# KiCad board Space.kicad_pcb (continued)
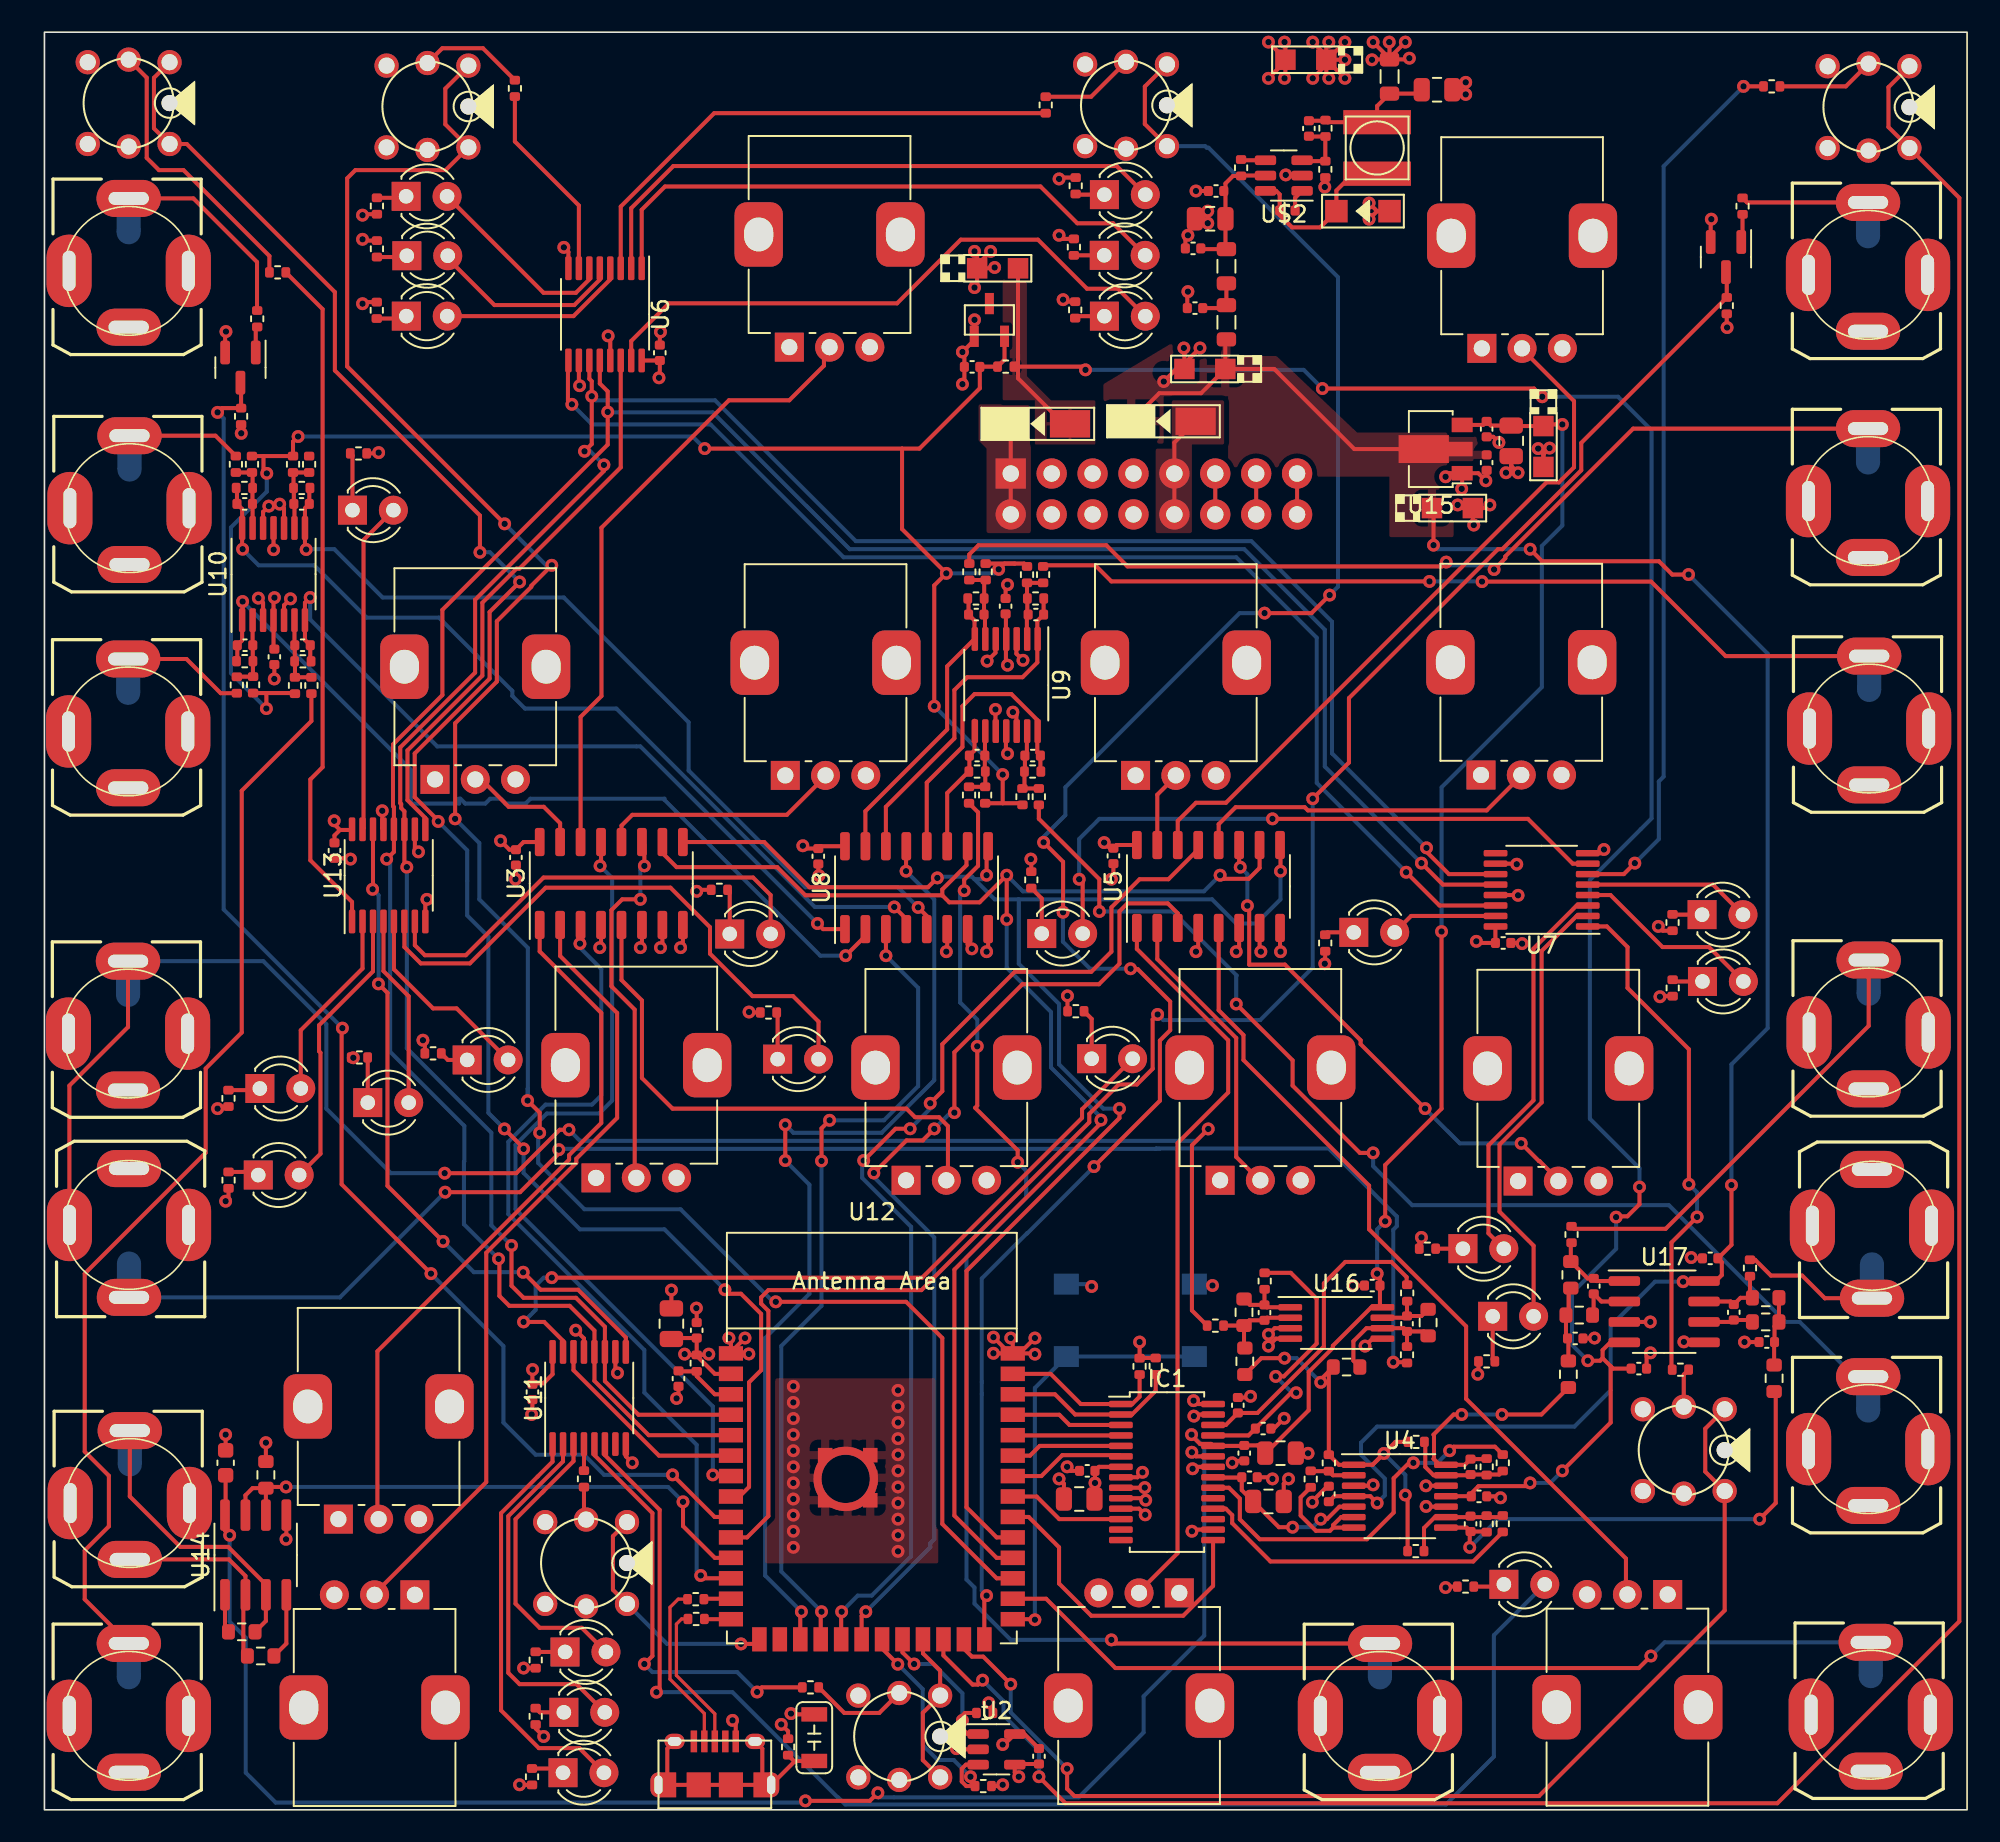
[diagram p0: board, top side]
## Routing (per net, layer and track width the routed paths; a pad name or vN(x,y) marks a point on that pad's centre or on a via; arc(x,y) is an arc through that point) (continued)
/CVJacks/XCV2: length 8.5
  Top w0.25: U8.11 56.06,63.16 57.39,64.5 R55.2 57.43,64.53 C42.2 57.75,65.81 57.75,67.65
/CVJacks/XCV3: length 18.5
  Top w0.25: R61.2 61.84,64.53 C44.2 61.65,65.68 61.65,67.69 60.04,69.31 57.75,69.31 57,68.56 57,66.02 54.78,63.81 54.78,59.86
/CVJacks/XCV4: length 46.8
  Top w0.25: 49.7,54.71 48.35,54.71 v1(48,55.06) ; R48.2 16.5,71.39 16.5,72.34 16.17,72.67 U10.7 16.17,74.98 v1(16.5,75.31)
  Bottom w0.25: v1(48,55.06) 37,66.06 24.39,66.06 16.5,73.94 v1(16.5,75.31)
/CVJacks/XCV5: length 54.5
  Top w0.25: v1(16.25,78.29) 16.17,78.36 U10.8 16.17,80.85 16.44,81.12 16.44,82.07 R54.2 ; v1(54.25,56.06) 54.78,55.52 54.78,54.71
  Bottom w0.25: v1(16.25,78.29) 16.27,78.31 18,78.31 21,75.31 32.25,75.31 40,67.56 40,64.56 47.25,57.31 53,57.31 v1(54.25,56.06)
/CVJacks/XCV6: length 54.8
  Top w0.25: v1(12.3,75.06) 12.3,74.56 12.28,74.53 12.28,72.64 C37.2 11.97,71.4 R42.2 ; v1(49.75,53.06) 50.97,54.28 U8.2
  Bottom w0.25: v1(12.3,75.06) 22.75,64.61 22.75,62.51 25.75,62.51 25.75,62.81 25.83,62.81 26.13,62.51 27.37,62.51 27.67,62.81 28.33,62.81 28.63,62.51 29.87,62.51 30.17,62.81 38.5,62.81 38.5,62.73 48.17,53.06 v1(49.75,53.06)
/CVJacks/XCV7: length 55.5
  Top w0.25: v1(52.77,56.08) 53.52,55.33 U8.4 ; v1(12.3,78.31) 12.28,78.33 12.28,80.8 C43.2 11.95,82.06 R60.2
  Bottom w0.25: v1(52.77,56.08) 47.84,56.08 35.51,68.41 29.84,68.41 29.05,69.2 29.05,69.51 24.5,74.06 20,74.06 16.75,77.31 13.3,77.31 v1(12.3,78.31)
/CVMUX0: length 96.6
  Top w0.25: v1(65.6,42.85) 65.6,42.66 56.5,33.56 56.5,18.28 59.12,15.65 U12.30 ; U3.10 38.37,59.44 39.25,58.56 45.5,58.56 47.25,56.81 55.75,56.81 55.75,56.81 ; v1(73,58.06) 73.22,57.83 74.78,57.83 75.45,58.51 U5.10 ; 55.75,56.81 56.18,56.37 58.07,56.37 v1(59.75,58.06) v1(59.75,55.31) ; 55.75,56.81 55.75,57.17 57.25,58.67 57.25,59.78
  Bottom w0.25: v1(59.75,55.31) 59.75,52.31 62.5,49.56 62.5,46.11 65.6,43.01 v1(65.6,42.85) ; v1(59.75,58.06) 60.75,57.06 72,57.06 v1(73,58.06)
/CVMUX1: length 95
  Top w0.25: U12.31 59.12,16.92 57.25,18.8 57.25,33.47 66.75,42.97 v1(66.75,43.56) ; v1(55.44,57.89) 54.86,57.31 47.5,57.31 44.69,60.12 U3.9 ; U5.9 76.75,59.9 v1(76.75,58.31) ; U8.9 58.5,59.76 v1(58.5,58.06)
  Bottom w0.25: 57.75,57.81 59,56.56 60.5,56.56 ; 57.75,57.81 58.25,57.81 v1(58.5,58.06) ; 57.75,57.81 57.6,57.96 55.51,57.96 v1(55.44,57.89) ; 60.5,56.56 60.5,52.56 63,50.06 63,46.31 65.75,43.56 v1(66.75,43.56) ; 60.5,56.56 72.5,56.56 74,55.06 75.25,55.06 76.75,56.56 v1(76.75,58.31)
/EEPROM_SCL: length 10.7
  Top w0.25: 56.99,5.04 56.91,5.12 56.91,5.77 57.16,6.02 R77.2 ; 56.99,5.04 57,5.06 v1(57,5.56) ; 56.99,5.04 57.33,4.71 U2.1 ; U12.22 53.28,9.78 v1(54,9.06)
  Bottom w0.25: v1(54,9.06) 55.18,9.06 57,7.24 v1(57,5.56)
/EEPROM_SDA: length 14.9
  Top w0.25: U12.21 52.01,10.02 v1(52.99,9.04) ; U2.3 57.22,2.81 56.96,2.55 56.96,1.75 57.24,1.47 R76.1 57.5,1.76 v1(57.5,2.06)
  Bottom w0.25: v1(52.99,9.04) 54.54,7.49 54.54,4.02 55.46,3.09 56.46,3.09 v1(57.5,2.06)
/EN: length 4
  Top w0.25: C60.1 39.4,27.24 R78.2 40.5,26.94 41.62,25.81 U12.3
/I2S_ADC: length 7.3
  Top w0.25: IC1.12 63.01,18.06 61.61,19.46 U12.33
/I2S_BCLK: length 7
  Top w0.25: U12.35 61.19,22 61.8,22.61 IC1.5
/I2S_DAC: length 7
  Top w0.25: U12.37 63.02,24.54 63.65,23.91 IC1.3
/I2S_LRC: length 6.7
  Top w0.25: IC1.4 60.14,23.26 U12.36
/JACK_FREEZE: length 115.8
  Top w0.25: U12.10 43.62,16.92 44.95,18.24 44.95,30.99 44.5,31.44 44.5,31.83 44.95,32.28 54.45,32.28 64.88,42.71 64.88,43.23 66.7,45.06 67.83,45.06 68.81,46.03 68.81,49.1 v1(69.12,49.41) ; v1(78.75,62.81) 81,65.06 81,69.06 90.25,78.31 90.52,78.31 95.42,83.21 95.42,84.91 R95.1 104.46,95.47 Q3.3
  Bottom w0.25: v1(69.12,49.41) 69.47,49.06 75.49,49.06 78.75,52.32 v1(78.75,62.81)
/JACK_TAP: length 89.9
  Top w0.25: v1(18.5,48.56) 18.45,48.51 18.45,38.85 v1(24,33.31) ; v1(39,20.81) 41.61,18.19 U12.9 ; v1(10.75,86.81) 11.02,87.07 R93.1 12.21,88.61 Q4.3
  Bottom w0.25: v1(10.75,86.81) 11.13,86.43 11.13,55.93 v1(18.5,48.56) ; v1(24,33.31) 28.5,28.81 28.5,24.06 30.5,22.06 33.5,22.06 34.75,20.81 v1(39,20.81)
/KNOBADC0: length 50.3
  Top w0.25: v1(41.5,20.81) 41.58,20.73 U12.7 ; v1(34.5,58.63) 34.56,58.69 U3.13
  Bottom w0.25: v1(41.5,20.81) 41.5,25.06 29.25,37.31 29.25,41.31 31.2,43.25 34.45,43.25 35.25,44.06 35.25,57.88 v1(34.5,58.63)
/KNOBADC1: length 52
  Top w0.25: v1(33.25,53.81) 33.25,54.93 U3.3 ; v1(40.75,14.56) 40.92,14.38 U12.12
  Bottom w0.25: v1(40.75,14.56) 40.5,14.81 40.5,22.67 37.25,25.92 37.25,28.56 28.8,37 28.8,41.49 31.11,43.81 34,43.81 34.58,44.38 34.58,52.23 33.25,53.56 v1(33.25,53.81)
/KNOBADC2: length 65.9
  Top w0.25: v1(49.5,12.31) 49.47,12.28 U12.19 ; U5.13 71.64,59.65 69.79,57.81 68,57.81 66.25,56.06 66.25,53.31 65,52.06 60.25,52.06 55.75,47.56 55.75,44.64 v1(55,43.89) ; v1(50.87,40.33) 52.84,42.31 v1(53.75,42.31)
  Bottom w0.25: v1(53.75,42.31) 55,43.56 v1(55,43.89) ; v1(50.87,40.33) 50.78,40.24 50.78,39.25 53.81,36.22 53.81,15.75 51.36,13.31 50.5,13.31 v1(49.5,12.31)
/KNOBADC3: length 63.5
  Top w0.25: v1(51,12.31) 50.74,12.05 U12.20 ; v1(51.5,39.56) 53.53,41.58 54.53,41.58 v1(55.25,42.3) ; v1(56.5,43.31) 56.5,47.06 60.73,51.28 65.48,51.28 66.75,52.56 66.75,55.81 67.25,56.31 69.75,56.31 70.37,55.69 U5.3
  Bottom w0.25: v1(51,12.31) 55,16.31 55,16.56 55.25,16.81 55.25,35.56 51.5,39.31 v1(51.5,39.56) ; v1(56.5,43.31) 56.26,43.31 v1(55.25,42.3)
/Knobs/KNOB_DELAY: length 33.6
  Top w0.25: U3.5 35.83,51.54 37.1,50.27 37.1,45.46 39,43.56 53.52,43.56 54.06,43.02 55.55,43.02 56.1,42.47 56.1,39.11
/Knobs/KNOB_DELAY_FEEDBACK: length 7.5
  Top w0.25: U3.15 32.02,61.29 31,62.31 28.83,62.31 26.9,64.23
/Knobs/KNOB_DELAY_LENGTH: length 39.2
  Top w0.25: U3.14 33.29,67.89 34.58,69.18 34.58,79.64 42.5,87.56 46.25,87.56 48.4,89.71 48.4,90.86
/Knobs/KNOB_DELAY_PATTERN: length 14.9
  Top w0.25: U3.12 35.83,61.14 36.5,61.81 46.1,61.81 48.42,64.13
/Knobs/KNOB_DIFFUSE: length 23.2
  Top w0.25: v1(37,56.56) 35.87,56.56 35.2,55.89 35.2,51.15 36.65,49.71 36.65,39.11 ; U3.11 37.25,59.97 v1(37.25,58.63)
  Bottom w0.25: v1(37,56.56) 37,58.38 v1(37.25,58.63)
/Knobs/KNOB_DIFFUSE_STYLE: length 44.3
  Top w0.25: 20.67,18.06 20.67,28.48 32.58,40.38 32.58,40.67 34.58,42.67 34.58,49.5 30.75,53.32 U3.1
/Knobs/KNOB_ENVTRACK: length 51.9
  Top w0.25: U5.5 72.91,49.67 74.45,48.13 74.45,46.57 82.25,38.77 82.25,36.06 88.28,30.03 88.28,25.53 98.2,15.61 98.2,13.36
/Knobs/KNOB_MAIN: length 32.7
  Top w0.25: v1(74.25,58.56) 74.18,58.62 U5.11 ; v1(74.69,56.16) 74.81,56.05 74.81,52.5 77.03,52.5 81.72,47.8 81.72,47.56 v1(85.73,43.56) ; v1(91.69,41.4) 92.8,40.29 92.84,40.29 94.07,39.06
  Bottom w0.25: v1(74.69,56.16) 74.69,58.11 v1(74.25,58.56) ; v1(91.69,41.4) 87.88,41.4 v1(85.73,43.56)
/Knobs/KNOB_PITCH_CONTROL: length 46
  Top w0.25: 67.88,13.46 70.36,15.94 70.36,41.41 73.5,44.56 73.5,47.81 67.83,53.48 U5.1
/Knobs/KNOB_PITCH_TRANSPOSE: length 49.4
  Top w0.25: U3.2 32.02,53.04 35.56,49.5 35.56,42.98 33.03,40.45 33.03,40.2 27.43,34.6 27.43,20.36 20.41,13.34
/Knobs/KNOB_TAIL: length 18.3
  Top w0.25: U5.2 69.1,52.84 74,47.94 74,40.56 75.45,39.11
/Knobs/KNOB_TAIL_CHORALITY: length 4.7
  Top w0.25: U5.15 69.1,63.06 70.2,64.16
/Knobs/KNOB_TAIL_LENGTH: length 43.9
  Top w0.25: U5.14 70.37,61.43 71.5,62.56 73.36,62.56 93.26,82.46 94.03,82.46 94.97,83.39 94.97,87.51 91.7,90.78
/Knobs/KNOB_TAIL_TEMPERATURE: length 21.4
  Top w0.25: 91.65,64.18 89.55,62.08 78.45,62.08 78.25,62.28 73.97,62.28 72.91,61.22 U5.12
/LED_DELAY: length 12.3
  Top w0.25: R85.1 29.21,103.63 33.18,99.66 U6.7
/LED_DELAYMODE_1: length 12.4
  Top w0.25: D26.2 30.99,94.23 33,94.23 33.83,95.07 U6.6
/LED_DELAYMODE_2: length 12.2
  Top w0.25: U6.5 34.48,95.05 32.9,93.47 27.94,93.47 25.04,96.37 D27.2
/LED_DELAYMODE_3: length 11.8
  Top w0.25: U6.4 35.13,95.07 32.85,92.78 D28.2
/LED_ENVTRACKER_OUT: length 85
  Top w0.25: U11.6 34.8,22.03 38.2,18.63 38.2,7.5 v1(38,7.31)
  Bottom w0.25: 49.28,0.78 49.73,0.33 87.02,0.33 90,3.31 90,10.84 D1.2 ; 49.25,0.78 42.72,7.31 v1(38,7.31)
/LED_FREEZE: length 55.5
  Top w0.25: U7.6 98.07,58.12 v1(98.75,58.81) ; v1(105.5,107.06) R62.1
  Bottom w0.25: v1(105.5,107.06) 100.54,102.09 100.54,64.18 100.24,63.88 100.24,60.29 v1(98.75,58.81)
/LED_MIX_DELAY: length 39.2
  Top w0.25: v1(64.25,57.81) 64.47,57.59 D32.2 ; v1(76.25,61.56) 92.11,61.56 94.9,58.77 U7.7
  Bottom w0.25: v1(76.25,61.56) 65.5,61.56 64.25,60.31 v1(64.25,57.81)
/LED_MIX_DIFFUSE: length 28.7
  Top w0.25: D20.2 45.09,56.82 44,57.91 30.99,57.91 26.16,53.08 23.62,53.08 23,53.71 U13.7
/LED_MIX_TAIL: length 6.7
  Top w0.25: U7.15 84.86,55.52 D33.2
/LED_PITCH: length 1.7
  Top w0.25: U11.4 R86.1
/LED_PITCHMODE_1: length 18.4
  Top w0.25: U11.3 32.85,21.65 30.88,19.68 ; 34.86,9.81 33.36,11.31 30.75,11.31 29.25,12.81 29.25,18.06 31,19.81
/LED_PITCHMODE_2: length 22.6
  Top w0.25: D24.2 33.04,7.8 29.5,7.8 28.8,8.51 28.8,18.24 32.2,21.64 U11.2
/LED_PITCHMODE_3: length 25.9
  Top w0.25: U11.1 31.55,21.63 28.35,18.43 28.35,6.18 30.7,3.83 33.21,3.83 D25.2
/LED_PITCHPOINT: length 26
  Top w0.25: 47.06,7.61 44.54,7.61 v1(44.25,7.32) ; v1(37.25,9.06) 37.75,9.56 37.75,18.43 34.15,22.03 U11.5
  Bottom w0.25: v1(44.25,7.32) 43.01,8.56 37.75,8.56 v1(37.25,9.06)
/LED_PP_DELAY: length 36.4
  Top w0.25: U13.6 22.35,53.59 23.37,52.58 26.42,52.58 31.12,57.28 38.87,57.28 41.33,54.83 41.33,53.18 43.96,50.54 46.48,50.54 48.06,48.96 48.06,46.63
/LED_PP_DELAY_FEEDBACK: length 20.6
  Top w0.25: U13.15 19.81,60.97 19.81,78.88 D13.2
/LED_PP_DIFFUSE: length 12.4
  Top w0.25: D11.2 25.59,49.78 24.13,49.78 21.7,52.21 U13.5
/LED_PP_DRY: length 28.4
  Top w0.25: U7.2 95.14,55.52 92.96,53.35 92.96,43.94 90.35,41.33 90.35,37.16 92.47,35.04 D7.2
/LED_PP_MAINPOST: length 24.7
  Top w0.25: U7.3 95.14,56.17 92.46,53.49 92.46,44.07 89.66,41.27 89.66,35.81 90.62,34.86
/LED_PP_MAINPRE: length 11.9
  Top w0.25: D9.2 22.61,50.53 21.05,52.1 U13.4
/LED_PP_TAIL: length 49.4
  Top w0.25: v1(29.75,30.31) 31.03,30.31 32.2,29.13 U11.15 ; v1(31.5,33.06) 54.5,33.06 64.43,42.98 64.43,43.52 D19.2
  Bottom w0.25: v1(31.5,33.06) 31,33.06 30.5,32.56 30.5,31.06 v1(29.75,30.31)
/LED_SEND: length 31.7
  Top w0.25: v1(102.11,38.86) 102.11,47.24 98.3,51.05 98.3,53.59 97.02,54.87 U7.1 ; R81.1 101.03,27.39 101.03,35.24 v1(102.62,36.83)
  Bottom w0.25: v1(102.62,36.83) 102.62,38.35 v1(102.11,38.86)
/LED_TAIL: length 32.6
  Top w0.25: R90.1 41.58,105.39 35.78,99.59 U6.3
/LED_TAILMODE_1: length 37.5
  Top w0.25: D29.2 66.58,102.11 39.05,102.11 36.43,99.49 U6.2
/LED_TAILMODE_2: length 37.3
  Top w0.25: U6.1 37.08,99.39 38.53,100.84 61.85,100.84 64.13,98.55 66.36,98.55 D30.2
/LED_TAILMODE_3: length 37.7
  Top w0.25: D31.2 66.65,94.49 64.74,94.49 61.69,97.53 56.9,97.53 52.94,93.58 38.77,93.58 36.43,91.24 U6.15
/LED_TAP: length 42.7
  Top w0.25: R79.1 14.99,95.5 17.27,93.22 17.27,64.77 16.51,64.01 16.51,58.98 19.1,56.39 U13.1
/LED_VU_IN_1: length 17.7
  Top w0.25: U13.3 20.4,52.08 17.05,48.73 17.05,47.12 17.14,47.03 17.14,40.76 D16.2
/LED_VU_IN_2: length 12
  Top w0.25: U13.2 19.75,52.26 15.92,48.42 D18.2
/LED_VU_OUT_1: length 10.4
  Top w0.25: U7.5 103.6,57.47 D4.2
/LED_VU_OUT_2: length 11.9
  Top w0.25: D8.2 103.35,53.59 100.47,53.59 97.24,56.82 U7.4
/LEDCLK: length 158.8
  Top w0.25: v1(29,35.06) 29,32.56 29.75,31.81 33,31.81 34.8,30.01 U11.11 34.8,26.63 36.89,24.54 U12.4 ; v1(85.82,59.75) 85.82,59.51 87.21,58.12 U7.11 ; v1(34.74,83.54) 34.74,83.16 26.74,75.17 26.74,70.64 22.09,65.99 22.09,62.53 22.15,62.47 22.15,62.22 22.35,62.02 U13.11 22.35,58.71 v1(22.5,58.56) ; U6.11 33.83,88.89 33.98,88.74 v1(33.98,87.81) 33.98,84.84 v1(33.53,84.39)
  Bottom w0.25: v1(22.5,58.56) 22.5,47.31 27.75,42.06 27.75,36.31 v1(29,35.06) ; v1(34.74,83.54) 33.89,84.39 v1(33.53,84.39) ; v1(85.82,59.75) 79.95,65.62 79.95,73.8 74.94,78.81 50.39,78.81 41.64,87.56 34.23,87.56 v1(33.98,87.81)
/LEDDAT: length 13.1
  Top w0.25: U11.14 32.85,27.31 38.16,22 U12.6
/LEDLAT: length 159
  Top w0.25: U6.12 34.48,88.6 34.97,88.11 v1(34.97,86.83) 34.97,84.8 24.71,74.54 24.71,69.25 21.64,66.18 21.64,62.34 21.7,62.29 U13.12 21.7,59.51 v1(21.25,59.06) ; U7.12 86.83,57.47 v1(85.5,58.81) ; v1(28.2,34.22) 28.25,34.17 28.25,31.92 28.86,31.31 32.61,31.31 34.15,29.77 U11.12 34.15,26.64 37.52,23.27 U12.5
  Bottom w0.25: v1(85.5,58.81) 79.5,64.81 79.5,73.31 74.5,78.31 50,78.31 41.5,86.81 35,86.81 v1(34.97,86.83) ; v1(28.2,34.22) 26.05,36.37 26.05,40.26 26.07,40.28 26.07,42.49 21.46,47.09 21.46,58.84 v1(21.25,59.06)
/MCLK: length 7.3
  Top w0.25: U12.34 61.9,20.73 63.2,22.03 66.76,22.03 IC1.6
/MIDIIN: length 36
  Top w0.25: U14.7 12.48,19.54 12.92,19.98 R120.1 ; U14.6 R120.1 ; R120.1 13.83,20.06 v1(15,20.06) ; U12.11 41.62,15.65 39.65,17.63 v1(39.65,19.13)
  Bottom w0.25: v1(39.65,19.13) 38.73,20.06 v1(15,20.06)
/MODENV_PWM: length 55.7
  Top w0.25: U12.28 62.19,13.11 66.5,8.81 99,8.81 v1(99.75,9.56)
  Bottom w0.25: v1(99.75,9.56) 100.6,10.41 JACK8.TIP
/PCM3060/VCOM: length 11
  Top w0.25: v1(77.5,17.56) 76.65,17.56 C12.1 74.34,19.86 C13.1 74.33,20.64 72.58,20.64 IC1.21 ; 81.3,18.83 80.41,18.83 79.63,18.06 v1(79.25,18.06)
  Bottom w0.25: v1(77.5,17.56) 78.75,17.56 v1(79.25,18.06)
/Power/min12in: length 5.8
  Top w0.25: D22.2 60,85.77 J1.1 J1.2
/Power/plus12in: length 6.3
  Top w0.25: D21.1 70.16,84.93 J1.9 J1.10
/SHIFTER_CONN_A: length 78.4
  Top w0.25: v1(84.55,58.24) 86.62,56.17 U7.14 ; v1(32.75,87.31) 32.51,87.55 32.51,90 U6.9
  Bottom w0.25: v1(84.55,58.24) 79,63.79 79,72.81 74,77.81 49.61,77.81 41.36,86.06 34,86.06 v1(32.75,87.31)
/SHIFTER_CONN_B: length 35.2
  Top w0.25: U13.9 23.65,61.61 22.54,62.72 22.54,65.8 27.19,70.45 27.19,74.98 29.31,77.1 29.49,77.1 35.78,83.39 U6.14
/SHIFTER_CONN_C: length 42.2
  Top w0.25: v1(29.72,33.39) 30.81,32.31 33.14,32.31 36.1,29.34 U11.9 ; U13.14 20.4,57.21 v1(20.38,57.18) ; v1(24.75,35.31) 21.3,38.76 21.3,50.74 v1(20.74,51.31)
  Bottom w0.25: v1(20.38,57.18) 20.75,56.81 20.75,51.32 v1(20.74,51.31) ; v1(24.75,35.31) 26.66,33.4 29.72,33.4 v1(29.72,33.39)
/USB_N: length 10.5
  Top w0.2: R74.1 39.35,13.09 38.84,12.58 38.84,8.11 40.97,5.98 J14.2
/USB_P: length 9.1
  Top w0.2: R73.1 39.56,11.86 39.24,11.53 39.24,8.34 41.62,5.96 J14.3
Net-(C24-Pad2): length 4.7
  Top w0.25: R107.2 94.62,29.23 C24.2 94.47,29.38 R108.1 94.64,30.9 94.64,32.27 R109.1
Net-(C25-Pad2): length 4.3
  Top w0.25: R111.1 R113.1 107.43,30.03 C25.2 107.4,29.03 R112.2
Net-(C65-Pad1): length 4.1
  Top w0.25: R97.1 75.75,32.33 C65.1 ; C65.1 74.85,31.37 R66.2 ; C65.1 75.91,31.22 U16.1
Net-(C66-Pad1): length 4
  Top w0.25: C66.1 84.5,30.57 U16.7 ; C66.1 84.6,31.59 R98.1 ; C66.1 85.5,30.68 R101.2
Net-(C67-Pad1): length 30.7
  Top w0.25: v1(88.5,16.31) 88.5,17.24 C67.1 ; v1(106.5,18.06) 107.5,19.06 107.5,25.88 R112.1 ; R104.2 89.51,17.28 C67.1 ; C67.1 88.31,17.53 U4.8
  Bottom w0.25: v1(106.5,18.06) 90.25,18.06 v1(88.5,16.31)
Net-(C68-Pad1): length 5
  Top w0.25: U17.1 96.37,32.85 C68.1 95.82,33.01 R109.2 94.78,35.18 R110.1
Net-(C69-Pad1): length 4.7
  Top w0.25: R115.1 105.9,31.96 R111.2 105.31,31.81 C69.1 104.71,31.58 U17.7
Net-(C70-Pad1): length 14.7
  Top w0.25: v1(90.5,24.56) 92.95,24.56 R107.1 ; v1(88,24.56) 87.5,24.56 86.25,23.31 86.28,23.28 86.28,21.84 86.25,21.81 86.62,21.43 U4.14 88.19,21.43 C70.1 89.52,21.79 R116.2
  Bottom w0.25: v1(88,24.56) v1(90.5,24.56)
Net-(D1-K): length 2
  Top w0.25: R1.1 90.26,13.87 90.44,14.05 90.48,14 D1.1
Net-(D4-K): length 1.8
  Top w0.25: R2.1 101.11,55.61 D4.1
Net-(D7-K): length 2.9
  Top w0.25: R4.1 89.93,27.99 D7.1
Net-(D8-K): length 1.9
  Top w0.25: R25.1 101.21,51.46 D8.1
Net-(D9-K): length 2.8
  Top w0.25: D9.1 20.08,46.73 R26.1
Net-(D11-K): length 1.8
  Top w0.25: D11.1 25.05,46.58 R28.1
Net-(D13-K): length 3.6
  Top w0.25: R30.1 19.12,84.12 D13.1
Net-(D15-K): length 2.9
  Top w0.25: R32.1 45.53,49.47 D15.1
Net-(D16-K): length 1.9
  Top w0.25: R33.1 13.08,39.62 D16.1
Net-(D17-K): length 1.7
  Top w0.25: D17.1 R34.1
Net-(D18-K): length 2
  Top w0.25: R35.1 13.27,44.7 D18.1
Net-(D19-K): length 3.1
  Top w0.25: R36.1 65.03,49.13 D19.1
Net-(D20-K): length 2.8
  Top w0.25: R37.1 42.55,57.02 D20.1
Net-(D23-K): length 1.8
  Top w0.25: R64.1 30.51,9.81 D23.1
Net-(D24-K): length 1.9
  Top w0.25: R65.1 30.76,6.06 D24.1
Net-(D25-K): length 2
  Top w0.25: R80.1 31.94,2.56 D25.1
Net-(D26-K): length 1.9
  Top w0.25: D26.1 22.37,100.13 R82.1
Net-(D27-K): length 1.9
  Top w0.25: D27.1 22.42,96.45 R83.1
Net-(D28-K): length 1.9
  Top w0.25: D28.1 22.32,92.63 R84.1
Net-(D29-K): length 1.8
  Top w0.25: R87.1 64.07,100.33 D29.1
Net-(D30-K): length 1.9
  Top w0.25: D30.1 R88.1
Net-(D31-K): length 1.9
  Top w0.25: D31.1 64.12,92.78 64,92.66
Net-(D32-K): length 3.1
  Top w0.25: R91.1 61.92,56.61 D32.1
Net-(D33-K): length 1.8
  Top w0.25: D33.1 79.68,54.51 R92.1
Net-(J14-GND@3): length 17.8
  Top w0.25: R75.2 46.54,3.03 C59.2 46.61,3.03 J14.B@12 J14.B@9 ; J14.B@4 44.58,3.8 J14.B@5 ; J14.B@2 38.67,3.8 J14.B@8
Net-(Q3-B): length 1.7
  Top w0.25: R96.2 105.44,97.47 Q3.1
Net-(Q4-B): length 1.6
  Top w0.25: R94.2 13.12,92.02 Q4.1
Net-(U4A--): length 2.8
  Top w0.25: U4.2 80,20.78 R103.1 78.65,21.04 R102.2
Net-(U4C--): length 6.6
  Top w0.25: R105.2 90.45,18.18 U4.9 86.33,18.18 85.66,17.51 R106.2
Net-(U4D--): length 6.7
  Top w0.25: R114.2 90.33,20.83 C70.2 88.5,20.78 U4.13 86.25,20.78 85.74,21.3 85.74,22.8 R117.2
Net-(U9A--): length 4.5
  Top w0.25: 61,72.73 61,74.17 C38.1 61.03,74.3 R43.1 61.01,75.27 R40.2 R41.2
Net-(U9B--): length 4.5
  Top w0.25: 58.4,72.73 58.4,74.19 C40.1 58.34,75.24 R49.1 58.35,76.21 58.34,76.22 ; R47.2 R46.2
Net-(U9C--): length 4.5
  Top w0.25: R53.2 R52.2 58.42,63.56 R55.1 58.39,64.53 C42.1 58.4,65.5 58.4,67
Net-(U9D--): length 4.6
  Top w0.25: 61,67 61,65.61 C44.1 60.88,64.53 R61.1 60.85,63.56 60.83,63.54 ; R59.2 R58.2
Net-(U10A--): length 4.5
  Top w0.25: U10.2 12.92,72.35 C37.1 12.94,71.36 12.94,71.35 12.94,70.4 R38.2 11.95,70.39 R39.2
Net-(U10B--): length 4.6
  Top w0.25: U10.6 15.53,72.36 C39.1 15.55,71.35 R48.1 15.56,71.32 R44.2 R45.2
Net-(U10C--): length 4.5
  Top w0.25: U10.9 15.53,81.08 C41.1 15.48,82.09 R54.1 15.47,83.04 R50.2 R51.2
Net-(U10D--): length 4.5
  Top w0.25: U10.13 12.92,81.11 C43.1 12.92,82.1 12.92,82.11 12.92,83.03 R56.2 R57.2
Net-(U12-GPIO19/U1RTS/ADC2_CH8/CLK_OUT2/USB_D-): length 1.7
  Top w0.25: R74.2 40.97,13.11 U12.13
Net-(U12-GPIO20/U1CTS/ADC2_CH9/CLK_OUT1/USB_D+): length 1.7
  Top w0.25: R73.2 40.99,11.84 U12.14
Net-(U14-A1): length 2.4
  Top w0.25: R121.2 11.21,11.27 U14.1
Net-(U14-A2): length 4.1
  Top w0.25: R122.2 15.02,10.33 U14.4
Net-(U16A--): length 5.8
  Top w0.25: R67.2 73.22,30.08 R66.1 ; U16.2 75.91,30.57 C65.2 74.81,30.41 R66.1 ; R68.2 74.49,28.74 R66.1
Net-(U16B--): length 7.9
  Top w0.25: C66.2 R99.2 ; C66.2 85.64,29.72 R101.1 ; C66.2 84.41,29.92 U16.6 82.09,29.92 81.28,29.11 81.28,27.9 81.68,27.51
Net-(U17A--): length 3.4
  Top w0.25: U17.2 96.68,31.58 96.2,32.05 96.19,32.04 96.19,30.8 R108.2
Net-(U17B--): length 3.1
  Top w0.25: U17.6 104.78,30.31 C69.2 105.93,30.43 R113.2
Net-(U$2-BST): length 1.4
  Top w0.25: C48.2 77.66,100.13 U$2.1
Net-(U$2-EN): length 1.5
  Top w0.25: R69.1 74.35,102.47 U$2.4
Net-(U$3-POS): length 17.7
  Top w0.25: R79.2 13.97,96.52 8.64,101.85 7.11,101.85 6.35,102.61 6.35,107.59 U$3.LEDPOS
Net-(U$4-POS): length 6.1
  Top w0.25: R62.2 111.85,107.06 U$4.LEDPOS
Net-(U$5-POS): length 6.2
  Top w0.25: U$5.LEDPOS 51.84,6.02 49.66,6.02 R63.2
Net-(U$6-POS): length 2.4
  Top w0.25: R81.2 101.79,27.04 U$6.LEDPOS
Net-(U$7-POS): length 6.6
  Top w0.25: R85.2 27.23,109.42 24.7,109.42 U$7.LEDPOS
Net-(U$8-POS): length 2.1
  Top w0.25: U$8.LEDPOS 33.5,18.16 R86.2
Net-(U$9-POS): length 5.9
  Top w0.25: 67.16,108.58 64.99,106.41 R90.2
unconnected-(J1-+5V-Pad11): length 2.5
  Top w0.25: J1.11 J1.12
unconnected-(J1-CV-Pad13): length 2.5
  Top w0.25: J1.13 J1.14
unconnected-(J1-GATE-Pad15): length 2.5
  Top w0.25: J1.15 J1.16

## Copper pours and planes (outline as drawn; the poured copper is in the pictures)
+3V3 on In1.Cu: -3.25,112.56 122.75,112.56 121.5,-3.94 -4.5,-3.44 -4.75,-3.44
+12V on Top: 65.75,84.81 65.75,88.56 72,92.31 74.5,92.31 74.5,90.31 76.5,90.31 81.5,85.56 90.25,85.56 90.25,82.81 87.5,82.81 87.5,79.06 83.5,79.06 83.5,82.81 73.5,82.81 73.5,87.81 69.5,87.81 69.5,84.81
-12V on Top: 65.25,84.81 65.25,87.56 62.5,87.56 61,89.06 61,96.56 59.5,96.56 59.5,87.56 61.5,87.56 61.5,84.81
GND on Top: 44.75,26.81 55.5,26.81 55.5,15.31 44.75,15.31
GND on Bottom: 44.75,26.81 55.5,26.81 55.5,15.31 44.75,15.31
GND on In2.Cu: 120.4,-8.09 -6.61,-8.07 -5.15,118.28 120.26,117.1
/Power/min12in on Top: 58.5,79.31 58.5,84.56 58,85.06 58,87.31 61.25,87.31 61.25,79.31
/Power/plus12in on Top: 69,79.31 69,84.56 70,84.56 70,87.56 73.25,87.56 73.25,84.81 71.25,84.81 71.25,79.31
